# KiCad board klofi.kicad_pcb (continued)
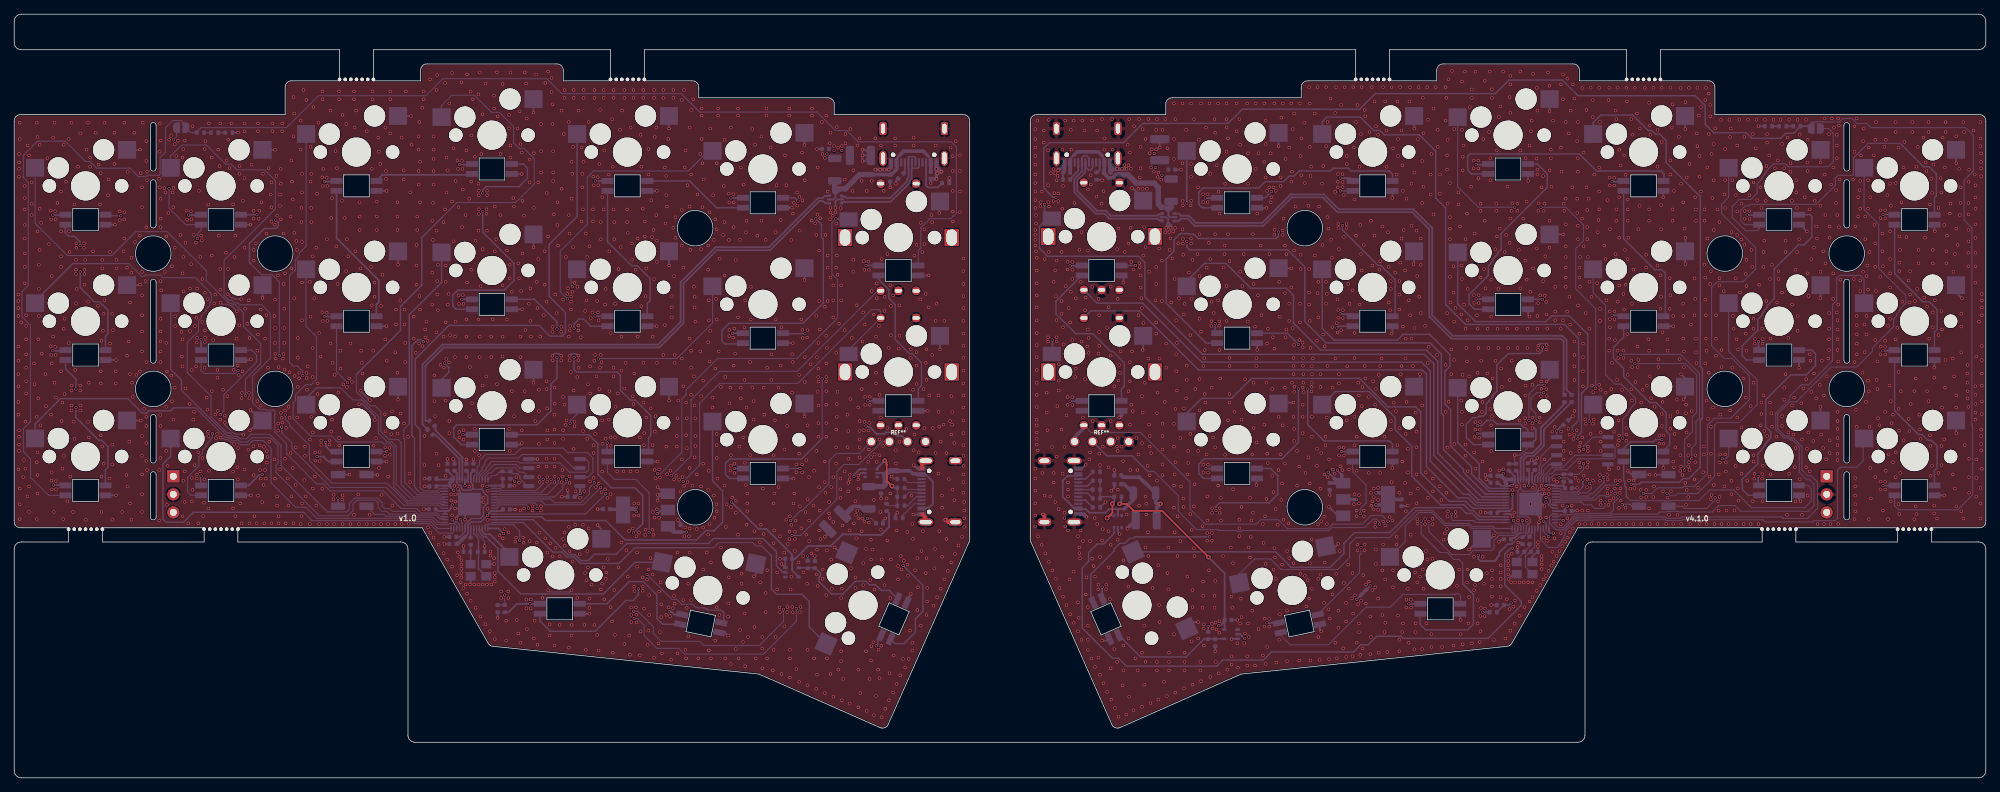
[diagram p0: board, top side]
## Routing (per net, layer and track width the routed paths; a pad name or vN(x,y) marks a point on that pad's centre or on a via; arc(x,y) is an arc through that point) (continued)
/right/KEY21: length 60.7
  Back w0.152: rSW13.1 259.98,47.62 259.98,44.62 259.08,43.72 256.78,43.72 256.38,43.32 256.38,36.52 256.08,36.22 253.08,36.22 252.88,36.02 246.18,36.02 245.88,36.32 234.58,36.32 234.48,36.22 234.18,36.22 234.17,36.22 233.48,36.22 233.47,36.22 233.08,36.22 233.07,36.22 232.48,36.22 232.47,36.22 232.27,36.22 232.18,36.32 221.98,36.32 221.93,36.28 219.82,36.28 219.72,36.18 219.53,36.18 218.08,34.72 218.08,34.22 217.88,34.02 217.88,33.69 217.6,33.42 217.6,33.22 217.2,32.82 217.2,32.64 216.98,32.42 215.73,32.42 214.62,33.53 rU5.18
/right/KEYEX1: length 106.5
  In1.Cu w0.254: v1(144.88,80.72) 144.88,82.12 145.98,83.22 146.83,83.22 147.26,82.79 147.69,82.79 147.87,82.62 149.24,82.62 rEXSW1.S2
  Back w0.203: rEXSW1.S2 145.28,78.72 144.18,77.62 144.18,77.61 144.17,77.61 144.17,74.75 144.18,74.75 144.18,74.52 145.28,73.42 158.08,73.42 158.98,72.52 158.98,67.72 167.08,59.62 198.28,59.62 199.61,58.28 199.61,45.38 205.85,39.14 rU5.37
  Back w0.254: rEXSW1.S2 144.88,79.74 v1(144.88,80.72)
/right/KEYEX2: length 87.8
  In1.Cu w0.254: rEXSW2.S2 147.79,64.73 145.98,62.92 v1(145.98,61.62)
  Back w0.152: rEXSW2.S2 145.9,60.23
  Back w0.203: rU5.35 205.48,38.34 204.4,39.42 202.98,39.42 198.58,43.82 198.58,56.82 197.98,57.42 166.52,57.42 158.22,65.72 151.39,65.72 rEXSW2.S2
  Back w0.254: v1(145.98,61.62) 145.98,59.74 rEXSW2.S2
/right/LED: length 63
  In1.Cu w0.203: v1(217.82,36.22) 216.57,36.22 215.64,37.16 214.31,37.16 213.68,36.52 213.68,35.72 213.28,35.32 210.08,35.32 208.18,33.42 208.18,31.32 208.38,31.12 208.38,23.37 206.13,21.12 188.88,21.12 186.18,18.42 184.48,18.42 184.28,18.22 182.28,18.22 181.98,17.92 180.48,17.92 180.38,17.82 174.88,17.82 173.09,19.6 v1(173.01,19.6)
  Back w0.152: v1(217.82,36.22) 217.67,36.22 217.55,36.34 rU5.13
  Back w0.254: v1(173.01,19.6) 172.39,20.22 rU6.2
/right/QSPI_SCLK: length 4.8
  Back w0.152: rU3.6 216.47,45.41 214.73,43.68 214.73,42.93 214.22,42.42 rU5.52
/right/QSPI_SD0: length 3.7
  Back w0.152: rU3.5 215.9,44.14 215.01,43.26 215.01,42.81 214.62,42.42 rU5.53
/right/QSPI_SD1: length 13.7
  Back w0.152: rU5.55 215.42,42.38 215.87,42.82 216.18,42.82 216.71,43.36 218.31,43.36 219.86,44.91 224.89,44.91 225.09,45.11 225.09,46.48 224.89,46.68 rU3.2
/right/QSPI_SD2: length 10.7
  Back w0.152: rU3.3 219.46,45.41 217.69,43.64 216.23,43.64 215.02,42.43 rU5.54
/right/QSPI_SD3: length 6.4
  Back w0.152: rU5.51 213.82,42.41 214.45,43.05 214.45,43.9 214.68,44.12 214.68,45.27 216.09,46.68 rU3.7
/right/QSPI_SS: length 12.7
  In1.Cu w0.152: v1(220.68,44.22) v1(220.68,46.22)
  Back w0.152: rR3.1 216.57,42.73 rU5.56 ; v1(220.68,46.22) 220.68,46.69 221.93,47.95 rU3.1 ; v1(220.68,44.22) 220.68,43.42 219.99,42.73 rR4.1
  Back w0.203: rR4.1 rR3.1
/right/RE0A: length 79.2
  Back w0.203: rU5.36 205.68,38.74 204.5,39.92 203.78,39.92 199.12,44.57 199.12,57.27 197.88,58.52 166.98,58.52 158.68,66.82 152.26,66.82 rEXSW1.A
/right/RE1A: length 88.1
  In1.Cu w0.152: v1(215.39,39.45) 211.41,39.45 206.98,35.02 206.98,30.92 206.68,30.62 203.88,30.62 203.18,31.32 202.28,31.32 201.98,31.62 201.78,31.62 201.48,31.92 201.18,31.92 199.39,33.7 195.59,33.7 v1(193.18,36.12)
  Back w0.152: v1(193.18,36.12) 192.38,36.92 190.78,36.92 189.58,35.72 185.38,35.72 184.73,35.07 179.03,35.07 177.78,36.32 175.28,36.32 174.68,35.72 167.48,35.72 165.33,37.87 165.33,41.67 158.38,48.62 151.41,48.62 rEXSW2.A ; v1(215.39,39.45) 215.39,39.42 215.4,39.42 215.68,39.42 215.98,39.13 215.98,38.62 216.16,38.44 216.66,38.44 rU5.8
  Back w0.508: rEXSW2.A 150.4,49.24 149.09,47.93 rJ2.1
/right/REB: length 108.5
  In1.Cu w0.152: v1(191.98,35.72) 192.08,35.62 192.08,34.62 193.38,33.32 198.68,33.32 199.98,32.02 200.68,32.02 200.68,32.02 201.06,31.64 201.36,31.64 201.69,31.3 201.89,31.3 202.16,31.04 203.06,31.04 203.78,30.32 206.98,30.32 207.38,30.72 207.38,34.52 211.88,39.02 215.18,39.02 v1(215.37,38.83)
  In1.Cu w0.203: rEXSW1.B 153.08,66.35 153.08,60.92 153.88,60.12 154.38,60.12 156.08,58.42 156.08,50.3 rEXSW2.B 154.85,49.63 152.55,47.33 rJ2.2
  Back w0.152: rU5.9 216.45,37.94 216.36,38.04 216.16,38.04 216.02,38.18 216.02,38.19 215.78,38.42 215.78,38.42 v1(215.37,38.83) ; v1(191.98,35.72) 191.98,36.02 191.57,36.42 191.08,36.42 189.88,35.22 185.27,35.22 184.84,34.79 178.91,34.79 178.88,34.82 172.65,34.82 172.47,34.64 172.08,34.64 171.9,34.82 169.38,34.82 169.26,34.94 166.26,34.94 163.68,37.52 163.68,39.72 160.28,43.12
  Back w0.203: 160.28,43.12 159.37,43.12 157.18,45.32 153.65,45.32 rJ2.2
/right/rLED_LVL_UP: length 17.2
  Back w0.203: rLED21.4 158.36,17.02 164.78,17.02 167.33,19.57 rU6.4
/right/rVBUS_ESD: length 26
  Back w0.254: J5.B4 153.28,87.2 153.06,87.41 153.06,87.46 152.94,87.59 ; J5.A4 148.48,87.12 148.98,87.62 ; 161.93,79.98 162.28,79.63 162.28,79.18 162.54,78.92 163.03,78.92
  Back w0.508: 162.58,80.22 162.33,79.98 161.99,80.32 161.48,80.32 ; 152.94,87.59 152.4,88.12 149.48,88.12 148.98,87.62 ; J5.B4 153.28,85.3 rC7.1 153.2,85.13 153.87,84.45 154.44,84.45 154.91,84.92 155.28,84.92 ; J5.A4 148.48,85.24 rC6.1
  Back w0.762: 155.28,84.92 156.58,84.92 157.77,83.72 157.77,83.72 160.28,83.72 160.88,83.12 160.88,80.72 161.28,80.32 161.48,80.32 ; 162.43,80.08 162.68,80.32 rFB1.1
/right/SWCLK: length 61.6
  In1.Cu w0.152: v1(212.08,36.21) 212.08,36.52 213.02,37.46 217.33,37.46 217.68,37.12 219.38,37.12 219.48,37.02 230.58,37.02 230.98,37.42 230.98,40.52 231.38,40.92 234.08,40.92 234.48,40.52 234.48,37.32 234.78,37.02 242.88,37.02 243.38,37.52 251.78,37.52 253.08,36.22 256.38,36.22 256.58,36.42 256.58,41.72 255.86,42.44 rJ1.1
  Back w0.152: v1(212.08,36.21) 212.08,36.01 212.08,35.72 212.22,35.57 rU5.24
/right/SWD: length 54.4
  In1.Cu w0.152: rJ1.3 253.79,38.42 236.48,38.42 236.18,38.72 236.18,41.42 235.58,42.02 235.18,42.02 235.08,42.12 230.98,42.12 229.98,41.12 229.98,38.92 229.18,38.12 228.78,38.12 228.18,37.52 222.18,37.52 221.08,38.62 220.03,38.62 218.83,37.42 217.9,37.42 217.58,37.74 213.7,37.74 213.62,37.82 212.36,37.82 211.16,36.62 211.15,36.62 210.87,36.34 210.83,36.34 v1(210.83,36.21)
  Back w0.152: rU5.25 211.82,35.47 211.72,35.57 211.72,35.6 211.58,35.74 211.15,35.74 210.98,35.92 210.98,36.06 v1(210.83,36.21)
/right/TX: length 102.3
  Front w0.203: v1(216.42,34.44) 216.42,34.33 216.43,34.32
  In1.Cu w0.203: v1(216.42,34.44) 216.42,34.44 214.3,34.44 213.68,33.82 211.43,33.82 210.68,33.07 210.68,32.32 210.66,32.32 v1(210.65,32.31)
  Back w0.203: v1(210.65,32.31) 210.42,32.31 209.58,31.48 209.58,27.16 211.93,24.82 211.93,24.32 207.23,19.63 195.28,19.63 194.98,19.92 191.59,19.92 190.39,18.72 189.33,18.72 188.32,17.72 176.78,17.72 175.64,16.57 169.94,16.57 169.09,15.72 156.38,15.72 155.28,16.82 154.42,16.82 150.18,21.07 150.18,25.61 150.17,25.61 150.17,29.57 151.07,30.46 151.07,31.71 152.27,32.92 153.18,32.92 154.68,34.41 154.64,34.45 rU4.3 ; v1(216.42,34.44) 216.37,34.4 216.01,34.4 215.82,34.59 rU5.15
/right/USB_VBUS_PIN: length 19.5
  In1.Cu w0.203: v1(215.08,36.12) 215.08,35.95 213.94,34.82 211.08,34.82 209.58,33.32 209.58,26.72 210.48,25.82 v1(210.48,24.62)
  Back w0.203: rU5.16 215.42,35.77 v1(215.08,36.12) ; v1(210.48,24.62) 210.18,24.32 rR2.1 rR1.2
Net-(C23-Pad1): length 2.7
  Back w0.203: Y1.3 R15.1
Net-(EXLED1-DIN): length 222.7
  Back w0.152: LED13.2 4.83,39.76 2.28,42.32 2.28,44.92 1.28,45.92 1.28,49.12 2.28,50.12 2.28,63.72 1.08,64.92 1.08,68.42 1.98,69.32 1.98,83.82 1.28,84.52 1.28,87.62 3.28,89.62 7.18,89.62 10.03,86.77 10.63,86.77 11.58,85.82 16.28,85.82 17.46,84.64 18.49,84.64 18.68,84.82 20.38,84.82 20.51,84.95 20.51,87.32 21.28,88.08 21.28,91.52 22.28,92.52 23.48,92.52 24.13,91.87 JP1.2 24.82,90.83 25.59,90.83 26.28,91.52 38.28,91.52 42.78,96.02 57.88,96.02 60.28,98.42 74.88,98.42 76.98,96.32 93.78,96.32 96.38,93.72 112.88,93.72 115.48,91.12 117.08,91.12 118.68,89.52 131.78,89.52 132.48,88.82 132.48,79.52 131.68,78.72 128.78,78.72 127.48,77.42 127.48,74.62 127.13,74.27 EXLED1.4
Net-(EXLED1-DOUT): length 20.6
  Back w0.203: EXLED1.2 121.53,70.17 122.98,68.72 122.98,67.52 123.88,66.62 123.88,61.72 125.88,59.72 126.28,59.72 127.58,58.42 127.58,55.22 127.13,54.77 EXLED2.4
Net-(J3-CC1): length 1.8
  Back w0.254: J3.A5 125.23,85.27 124.94,84.98
Net-(J3-CC2): length 5.9
  Back w0.254: J3.B5 128.23,83.37 128.48,83.12 129.87,83.12 R6.2
Net-(J4-CC1): length 2.6
  Back w0.127: J4.A5 125.69,41.57 R7.2
Net-(J4-CC2): length 3.7
  Back w0.152: J4.B5 126.58,38.57 126.12,38.1 126.1,38.1 124.94,36.94 R9.2
Net-(J4-D+-PadA6): length 2.2
  Back w0.127: R11.2 125.44,40.57 127.31,40.57
Net-(J4-D+-PadB6): length 2.9
  Back w0.152: R12.2 125.61,38.32 126.86,39.57 J4.B6
Net-(J4-D--PadA7): length 2.7
  Back w0.127: J4.A7 127.47,40.18 125.8,40.18 R10.1
Net-(J5-CC1): length 2.9
  Back w0.254: rR5.2 148.49,84.33 149.63,85.47 J5.A5
Net-(J5-CC2): length 1.7
  Back w0.254: rR6.2 152.3,85.23 152.63,85.56 J5.B5
Net-(J6-CC1): length 2.5
  Back w0.203: rR7.2 150.67,39.07 J6.A5
Net-(J6-CC2): length 2.5
  Back w0.203: J6.B5 150.67,42.07 rR8.2
Net-(J6-D+-PadA6): length 2.4
  Back w0.203: J6.A6 150.92,40.07 rR11.2
Net-(J6-D+-PadB6): length 2.4
  Back w0.203: rR12.2 150.92,41.07 J6.B6
Net-(J6-D--PadA7): length 2.1
  Back w0.203: rR10.1 J6.A7
Net-(JP1-A): length 33.8
  In1.Cu w0.152: v1(25.78,75.92) 25.7,75.84 23.08,75.84 22.05,76.87 18.22,76.87 15.98,79.12 v1(14.98,79.12) ; v1(22.4,89.82) 22.38,89.8 22.38,89.7 22.1,89.42 22.1,89.39 21.78,89.07 v1(21.78,82.92)
  Back w0.152: JP1.1 22.83,90.24 v1(22.4,89.82) ; LED1.4 12.97,79.12 v1(14.98,79.12) ; v1(25.78,75.92) 25.78,76.62 26.28,77.12 LED2.2 24.11,77.86 21.78,80.19 v1(21.78,82.92)
Net-(LED1-DOUT): length 21.2
  In1.Cu w0.203: v1(9.28,71.22) v1(9.28,74.92)
  Back w0.203: LED7.4 12.83,62.17 13.18,62.52 13.18,65.82 11.98,67.02 11.28,67.02 9.28,69.02 v1(9.28,71.22) ; LED1.2 7.14,77.78 7.14,76.75 7.68,76.22 8.49,76.22 9.28,75.43 v1(9.28,74.92)
Net-(LED2-DIN): length 43.8
  In1.Cu w0.152: v1(31.48,57.32) 32.38,58.22 36.68,58.22 37.28,58.82 v1(37.28,59.42)
  In1.Cu w0.203: v1(36.78,78.52) 36.03,79.26 v1(34.12,79.26)
  Back w0.152: v1(31.48,57.32) 31.08,56.92 26.68,56.92 26.28,57.32 LED8.2 ; v1(37.28,59.42) 37.28,69.82 36.29,70.81 34.79,70.81 33.28,72.32
  Back w0.203: v1(36.78,78.52) 37.15,78.15 37.15,77.64 36.82,77.32 35.18,77.32 33.08,75.22 33.08,72.52 33.28,72.32 ; v1(34.12,79.26) LED2.4
Net-(LED3-DIN): length 13.9
  Back w0.254: LED4.2 64.25,84.88 51.78,84.88 LED3.4
Net-(LED3-DOUT): length 20.3
  Back w0.254: LED3.2 45.33,75.97 51.28,70.02 51.28,66.97 50.93,66.62 LED9.4
Net-(LED5-DIN): length 15
  Back w0.203: LED6.2 98.75,80.24 94.97,84.02 LED5.4
Net-(LED10-DIN): length 39.5
  In1.Cu w0.203: v1(76.31,59.18) v1(76.31,63.18)
  Back w0.203: v1(76.31,59.18) 76.31,56.26 75.48,55.42 75.48,55.13 75.47,55.13 75.47,54.71 75.48,54.71 75.48,51.64 73.51,49.68 62.21,49.68 61.81,49.28 61.81,47.98 62.89,46.9 LED16.2 ; LED10.4 73.14,67.35 76.31,64.18 v1(76.31,63.18)
Net-(LED10-DOUT): length 39.3
  In1.Cu w0.203: v1(65.88,79.72) v1(65.88,82.32)
  Back w0.203: LED4.4 71.59,86.4 72.18,85.82 72.18,84.42 70.98,83.22 66.34,83.22 65.88,82.75 v1(65.88,82.32) ; v1(65.88,79.72) 65.88,76.82 70.28,72.42 70.28,70.02 68.9,68.65 62.35,68.65 61.68,67.97 61.68,66.42 62.14,65.95 LED10.2
Net-(LED11-DIN): length 20.8
  Back w0.203: LED5.2 83.43,75.47 86.81,72.08 87.61,72.08 89.41,70.28 89.41,67.18 89.03,66.79 LED11.4
Net-(LED11-DOUT): length 31.8
  In1.Cu w0.203: v1(78.71,63.28) v1(78.71,59.18)
  Back w0.203: LED17.4 89.18,46.07 89.18,47.84 89.51,48.18 89.51,50.98 87.31,53.18 86.61,53.18 85.22,54.57 85.22,56.67 84.78,57.12 79.07,57.12 78.71,57.48 v1(78.71,59.18) ; LED11.2 81.07,63.57 80.06,64.58 79.41,64.58 78.71,63.88 v1(78.71,63.28)
Net-(LED12-DIN): length 39.2
  In1.Cu w0.152: v1(113.61,56.16) 113.61,61.78 112.88,62.52 v1(111.18,62.52)
  Back w0.152: v1(113.61,56.16) 113.61,47.78
  Back w0.203: LED12.4 108.15,62.52 v1(111.18,62.52) ; LED18.2 100.55,42.14 100.01,42.68 100.01,44.28 100.61,44.88 110.71,44.88 113.61,47.78
Net-(LED12-DOUT): length 38.7
  In1.Cu w0.203: v1(112.71,78.68) v1(110.21,81.18)
  Back w0.203: v1(110.21,81.18) 109.75,81.64 LED6.4 ; LED12.2 102.36,61.08 99.91,61.08 99.51,61.48 99.51,62.98 100.51,63.98 110.91,63.98 113.78,66.84 113.78,75.82 113.51,76.08 113.51,77.88 v1(112.71,78.68)
Net-(LED13-DIN): length 20.5
  In1.Cu w0.203: v1(8.68,52.12) v1(8.68,54.72)
  Back w0.203: LED13.4 12.83,43.37 13.18,43.72 13.18,46.62 12.28,47.52 11.88,47.52 8.68,50.72 v1(8.68,52.12) ; LED7.2 7.23,57.57 8.68,56.12 v1(8.68,54.72)
Net-(LED14-DIN): length 15.4
  In1.Cu w0.254: v1(34.88,42.72) 39.08,42.72 41.58,45.22 v1(42.58,45.22)
  Back w0.254: v1(34.88,42.72) 34.8,42.65 34.46,42.65 32.97,41.16 LED14.4 ; v1(42.58,45.22) 43.48,45.22 44.17,44.52 LED15.2
Net-(LED14-DOUT): length 27.9
  In1.Cu w0.152: v1(28.98,51.12) 27.88,50.02 v1(27.88,48.42)
  Back w0.152: LED14.2 24.83,39.76 24.38,40.22 24.38,42.32 25.98,43.92 25.98,45.22 26.48,45.72 26.48,46.12 26.98,46.62 26.98,46.92 27.58,47.52 27.58,47.62 27.88,47.92 v1(27.88,48.42) ; LED8.4 33.38,60.21 34.08,59.52 34.08,58.52 29.48,53.92 29.48,51.62 v1(28.98,51.12)
Net-(LED15-DIN): length 22.2
  In1.Cu w0.152: v1(46.88,55.62) 51.38,51.12 51.38,46.64 52.1,45.92 v1(52.38,45.92)
  Back w0.152: LED9.2 45.33,57.17 v1(46.88,55.62) ; v1(52.38,45.92) 52.37,45.92 LED15.4
Net-(LED16-DIN): length 57.2
  In1.Cu w0.203: v1(87.07,34.49) 86.68,34.09 86.68,28.72 87.78,27.62 v1(87.78,26.62)
  Back w0.203: v1(87.78,26.62) 87.78,25.72 87.03,24.97 86.03,24.97 81.68,20.62 75.38,20.62 73.9,22.09 LED19.2 ; v1(87.07,34.49) 87.09,34.49 88.38,35.77 88.38,39.72 87.28,40.82 83.98,40.82 82.08,42.72 82.08,47.02 80.79,48.3 LED16.4
Net-(LED17-DOUT): length 35.1
  In1.Cu w0.152: v1(88.98,28.62) 88.68,28.92 88.68,33.46 89.28,34.06 v1(89.28,34.52)
  Back w0.152: v1(88.98,28.62) 92.48,25.12 93.18,25.12 93.88,24.42 95.38,24.42 95.58,24.21 95.61,24.18 95.68,24.12 95.75,24.07 95.83,24.03 95.91,23.99 95.99,23.96 96.07,23.94 96.16,23.93 96.25,23.92 96.29,23.92 96.86,23.92 96.9,23.92 96.99,23.91 97.08,23.9 97.16,23.87 97.24,23.84 97.32,23.81 97.4,23.76 97.47,23.71 97.54,23.66 97.58,23.62 98.5,23.62 98.58,23.54 98.97,23.54 99.05,23.62 99.28,23.62 99.41,23.48 99.61,23.48 99.78,23.32 ; v1(89.28,34.52) 89.28,40.12 87.38,42.02 84.38,42.02 83.43,42.97 LED17.2
  Back w0.203: 99.78,23.32 99.78,22.19 LED20.4
Net-(LED18-DIN): length 40.3
  In1.Cu w0.152: v1(110.48,43.54) 111.35,43.54 114.93,39.97 114.93,39.37 115.78,38.52 115.78,35.22 119.48,31.52 123.38,31.52 v1(124.98,29.92)
  Back w0.203: v1(110.48,43.54) LED18.4 ; v1(124.98,29.92) 127.78,27.12 127.78,23.44 126.71,22.38 126.71,20.48 125.11,18.88 123.86,18.88 LED21.2
Net-(LED19-DIN): length 19.9
  Back w0.203: LED19.4 83.35,24.49 86.48,27.62 88.48,27.62 90.38,25.72 90.38,22.42 91.18,21.61 LED20.2
Net-(R4-Pad2): length 30.9
  In1.Cu w0.203: v1(45.53,39.37) 45.53,39.81 45.97,40.25 46.54,40.25 47.78,39.02 54.48,39.02 56.48,41.02 56.48,42.02 57.88,43.42 68.68,43.42 v1(70.36,41.74)
  Back w0.254: v1(70.36,41.74) 69.99,42.11 R4.2 ; v1(45.53,39.37) SMDSW1.2
Net-(R16-Pad2): length 1
  Back w0.152: R17.1 27.66,90.83 R16.2
Net-(R17-Pad2): length 1
  Back w0.203: R17.2 R18.1
Net-(rC23-Pad1): length 3.3
  Back w0.152: rR15.1 213.08,32.56 211.28,30.76 rY1.3
Net-(rEXLED1-DIN): length 234.9
  In1.Cu w0.203: v1(146.48,81.72) 150.68,81.72 153.08,79.32 154.28,79.32 156.08,77.52 156.08,74.92 157.68,73.32 v1(157.68,72.12)
  Back w0.152: rLED13.2 264.4,38.29 264.98,37.72 273.28,37.72 275.38,39.82 275.38,49.52 275.28,49.62 275.28,77.42 274.18,78.52 274.18,84.12 275.48,85.42 275.48,90.42 274.38,91.52 261.08,91.52 260.48,92.12 259.1,92.12 258.4,92.82 257.15,92.82 256.65,92.32 254.33,92.32 254.27,92.38 253.39,92.38 253.33,92.32 252.82,92.32 252.68,92.17 rJP1.2
  Back w0.203: rR16.1 250.18,90.72 249.08,90.72 248.38,90.02 244.33,90.02 243.53,90.82 238.98,90.82 237.78,92.02 237.78,94.62 236.38,96.02 219.88,96.02 217.68,98.22 210.18,98.22 208.28,96.32 191.38,96.32 189.18,94.12 172.68,94.12 170.68,92.12 158.68,92.12 155.98,89.42 145.58,89.42 144.78,88.62 144.78,83.02 146.08,81.72 v1(146.48,81.72) ; rEXLED1.4 157.48,72.12 157.48,72.12 v1(157.68,72.12)
  Back w0.254: rJP1.2 252.38,91.72 rR16.1
Net-(rEXLED1-DOUT): length 24.9
  Back w0.203: rEXLED2.4 155.7,54.74 156.08,55.12 156.08,58.42 154.48,60.02 154.18,60.02 151.68,62.52 149.28,62.52 146.48,65.32 146.48,67.09 rEXLED1.2
Net-(rJP1-A): length 76.3
  Back w0.152: rJP1.1 255.08,91.42 255.78,90.72 255.78,86.72 255.08,86.02 249.48,86.02 249.08,86.42 247.38,86.42 246.38,85.42 246.38,85.32 246.18,85.12 246.18,85.02 246.08,84.92 246.08,84.82 245.78,84.52 245.78,84.32 245.08,83.62 245.08,82.32 244.18,81.42 242.58,81.42 241.58,80.42 241.58,78.92 243.48,77.02 245.08,77.02 245.35,77.29 rLED2.2 243.33,77.86 242.78,78.42 242.78,79.91 243.39,80.52 243.88,80.52 244.08,80.72 253.38,80.72 256.08,83.42 256.08,84.42 256.48,84.82 258.48,84.82 258.64,84.98 258.64,87.28 260.68,89.32 265.18,89.32
  Back w0.203: rLED1.4 270,81.64 270.28,81.92 270.28,85.02 269.28,86.02 268.48,86.02 265.18,89.32
Net-(rLED1-DOUT): length 20.8
  Back w0.203: rLED7.4 270,62.74 270.38,63.12 270.38,65.92 269.28,67.02 268.38,67.02 264.4,70.99 rLED1.2
Net-(rLED2-DIN): length 28.7
  Back w0.203: rLED8.2 245.34,58.82 243.58,58.82 242.98,59.42 242.98,60.82 245.18,63.02 245.18,64.52 245.78,65.12 245.78,65.32 245.98,65.52 245.98,65.72 246.48,66.22 246.48,66.42 247.48,67.42 247.48,71.62 250.88,75.02 251.68,75.02 252.78,76.12 252.78,79.02 252.53,79.26 rLED2.4
Net-(rLED3-DIN): length 35
  Back w0.203: rLED3.4 231.98,84.1 231.98,85.02 231.58,85.42 223.09,85.42 223.08,85.42 222.67,85.42 222.66,85.42 222.48,85.42 220.08,87.82 211.99,87.82 211.98,87.82 211.57,87.82 211.56,87.82 208.79,87.82 208.78,87.82 208.37,87.82 208.36,87.82 204.68,87.82 204.38,87.52 204.38,85.52 204.89,85 rLED4.2
Net-(rLED3-DOUT): length 20.8
  Back w0.203: rLED3.2 226.3,75.89 230.68,71.52 231.68,71.52 232.18,71.02 232.18,65.25 rLED9.4
Net-(rLED5-DIN): length 34.4
  Back w0.203: rLED6.2 167.05,80.24 166.58,80.72 166.58,82.42 167.18,83.02 174.98,83.02 175.88,83.92 178.48,83.92 179.28,84.72 179.98,84.72 180.68,85.42 185.08,85.42 185.48,85.82 187.58,85.82 187.98,85.42 193.38,85.42 193.8,84.99 rLED5.4
Net-(rLED10-DIN): length 32.7
  In1.Cu w0.203: v1(214.88,60.62) v1(214.88,67.32)
  Back w0.203: v1(214.88,67.32) 214.84,67.35 rLED10.4 ; rLED16.2 205.19,46.9 204.18,47.92 204.18,49.77 205.1,50.69 205.75,50.69 205.98,50.92 206.58,50.92 206.98,51.32 206.98,52.62 207.38,53.02 207.38,53.12 207.78,53.52 207.78,53.62 207.98,53.82 207.98,53.92 208.48,54.42 208.48,58.12 210.08,59.72 214.48,59.72 214.88,60.12 v1(214.88,60.62)
Net-(rLED10-DOUT): length 29.1
  Back w0.203: rLED4.4 214.19,86.4 215.58,85.02 215.58,83.12 209.08,76.62 209.08,74.42 208.68,74.02 208.68,73.82 208.3,73.44 208.3,73.39 207.98,73.07 207.98,72.87 207.6,72.49 207.6,72.34 207.28,72.02 207.28,70.72 204.58,68.02 204.58,66.72 205.34,65.95 rLED10.2
Net-(rLED11-DIN): length 23.1
  In1.Cu w0.203: v1(186.48,82.62) 186.28,82.42 186.28,79.02 186.78,78.52 v1(186.78,77.72)
  Back w0.203: rLED11.4 194.18,65.35 194.18,70.12 192.18,72.12 191.78,72.12 186.78,77.12 v1(186.78,77.72) ; v1(186.48,82.62) 186.48,82.62 rLED5.2
Net-(rLED11-DOUT): length 31.8
  In1.Cu w0.203: v1(181.88,54.72) 181.88,59.22 v1(185.98,63.32)
  Back w0.203: rLED17.4 193.8,46.99 193.38,47.42 184.18,47.42 181.88,49.72 v1(181.88,54.72) ; rLED11.2 186.23,63.57 v1(185.98,63.32)
Net-(rLED12-DIN): length 39.7
  In1.Cu w0.203: v1(180.58,54.72) v1(180.58,61.02)
  Back w0.203: rLED18.2 167.25,42.14 166.58,42.82 166.58,44.17 167.33,44.92 178.28,44.92 180.58,47.22 v1(180.58,54.72) ; rLED12.4 179,62.59 v1(180.58,61.02)
Net-(rLED12-DOUT): length 43.5
  In1.Cu w0.203: v1(177.78,76.82) 177.78,81.52 v1(176.78,82.52)
  Back w0.203: v1(177.78,76.82) 177.78,76.22 177.48,75.92 166.48,75.92 165.98,76.42 165.88,76.42 165.78,76.52 165.28,76.52 165.18,76.62 163.98,76.62 163.08,75.72 163.08,74.12 161.98,73.02 161.98,66.82 167.6,61.19 rLED12.2 ; v1(176.78,82.52) 175.9,81.64 rLED6.4
Net-(rLED13-DIN): length 20.9
  Back w0.203: rLED13.4 270,43.24 270.38,43.62 270.38,46.72 269.58,47.52 269.08,47.52 268.28,48.32 267.78,48.32 264.4,51.69 rLED7.2
Net-(rLED14-DIN): length 37.1
  Back w0.152: rLED14.4 252.23,41.16 252.68,40.72 252.68,38.92 251.78,38.02 244.28,38.02 241.78,40.52 238.38,40.52 236.88,39.02 232.88,39.02 232.82,38.96 232.03,38.96 231.99,39.01 228.56,39.01 228.54,39.02 227.28,39.02 226.98,39.32
  Back w0.203: 226.98,39.32 226.68,39.62 226.68,40.82 226.48,41.02 226.48,41.64 226.3,41.82 rLED15.2
Net-(rLED14-DOUT): length 30.5
  Back w0.203: rLED14.2 243.83,39.76 242.98,40.62 242.98,42.02 245.18,44.22 245.18,45.62 245.78,46.22 245.78,46.32 245.98,46.52 245.98,46.62 246.18,46.82 246.18,46.92 246.38,47.12 246.38,47.22 246.98,47.82 246.98,47.91 246.98,47.91 246.98,48.33 246.98,48.33 246.98,48.72 246.28,49.42 246.28,53.22 249.78,56.72 251.98,56.72 253.28,58.02 253.28,59.72 252.78,60.21 rLED8.4
Net-(rLED15-DIN): length 22.4
  Back w0.203: rLED9.2 226.3,62.02 224.88,60.59 224.88,59.04 226.3,57.62 226.3,56.49 229.98,52.82 230.88,52.82 232.28,51.42 232.28,48.82 232.78,48.32 232.78,46.92 231.9,46.04 rLED15.4
Net-(rLED16-DIN): length 53.8
  In1.Cu w0.203: v1(197.83,36.14) 197.83,37.08 198.78,38.02 198.78,38.42 204.68,44.32 204.68,49.02 205.21,49.56 v1(205.78,49.56)
  Back w0.152: 203.68,29.22 203.68,30.22 203.16,30.74 202.46,30.74 201.48,31.72 200.48,31.72 197.83,34.36 v1(197.83,36.14)
  Back w0.203: rLED16.4 212.85,48.92 212.46,49.31 212.29,49.31 211.78,49.81 208.45,49.81 207.94,50.32 207.08,50.32 206.31,49.56 v1(205.78,49.56) ; 203.68,29.22 203.68,27.32 204.77,26.22 204.77,26.21 205.07,25.92 205.08,25.92 205.18,25.82 205.18,21.62 204.38,20.82 198.48,20.82 197.68,21.62 197.68,23.04 rLED19.2
Net-(rLED17-DOUT): length 25.2
  In1.Cu w0.152: v1(189.28,37.22) 189.28,33.32 189.38,33.22 v1(189.38,32.42)
  Back w0.152: v1(189.38,32.42) 189.38,31.52 189.18,31.32 189.18,28.87 rLED20.4 ; rLED17.2 188.2,43.09 190.08,41.22 190.08,38.67 189.28,37.87 v1(189.28,37.22)
Net-(rLED18-DIN): length 43.5
  In1.Cu w0.203: v1(168.98,37.62) 168.98,34.32 168.58,33.92 v1(168.08,33.92)
  Back w0.203: rLED21.2 151.38,25.01 151.38,28.62 154.68,31.92 154.68,32.22 155.48,33.02 156.18,33.02 156.87,33.71 157.36,33.71 157.58,33.92 v1(168.08,33.92) ; rLED18.4 176.65,43.54 177.68,42.52 177.68,39.92 176.48,38.72 169.48,38.72 168.98,38.22 v1(168.98,37.62)
Net-(rLED19-DIN): length 30.5
  Back w0.152: rLED20.2 178.1,20.03 179.42,18.72 184.78,18.72 190.08,24.02 193.48,24.02 195.28,25.82 202.68,25.82 202.78,25.92 203.08,25.92 203.38,25.62 203.38,24.54 rLED19.4
Net-(rR4-Pad2): length 15.6
  In1.Cu w0.152: v1(226.11,38.44) 226.07,38.48 224.91,38.48 224.37,37.94 222.88,37.94 222.38,38.44 222.38,39.02 221.28,40.12 219.48,40.12 217.38,42.22 v1(217.23,42.22)
  Back w0.152: rSMDSW1.2 227.46,38.23 227.18,38.52 226.26,38.52 226.18,38.44 v1(226.11,38.44) ; rR4.2 218.37,42.22 v1(217.23,42.22)
Net-(rR16-Pad2): length 1
  Back w0.254: rR17.1 250.15,91.71
Net-(rR17-Pad2): length 1
  Back w0.254: rR18.1 247.19,91.71 rR17.2
Net-(rU5-RUN): length 100.4
  In1.Cu w0.152: v1(198.92,36.09) 198.92,36.76 199.98,37.82 200.68,37.82 207.78,44.92 211.25,44.92 212.98,46.65 212.98,50.3 v1(212.99,50.31) ; v1(239.18,39.42) 239.18,39.97 236.32,42.82 235.38,42.82 v1(234.88,43.32) ; v1(215.13,55.25) 215.17,55.3 215.98,55.3 221.3,60.62 226.98,60.62 227.88,59.72 v1(227.88,58.32)
  Back w0.152: v1(239.18,39.42) 239.18,39.19 239.1,39.12 239.1,39.04 237.98,37.92 234.88,37.92 234.56,38.23 rSMDSW2.2 ; rU5.26 211.42,34.76 211.32,34.67 211.32,34.61 211.18,34.46 211.17,34.46 210.83,34.12 208.78,34.12 208.08,33.42 208.08,32.32 207.78,32.02 205.18,32.02 204.58,31.42 202.17,31.42 198.92,34.67 v1(198.92,36.09) ; v1(234.88,43.32) 234.88,47.62 235.98,48.72 235.98,50.82 236.58,51.42 236.58,56.72 234.98,58.32 227.98,58.32 ; v1(215.13,55.25) 214.92,55.25 214.86,55.31 214.27,55.31 212.99,54.03 v1(212.99,50.31)
Net-(rU5-USB_DM): length 14.1
  Back w0.2: rR14.2 217.99,52.64
  Back w0.25: 217.99,52.64 216.99,51.65
  Back w0.254: rU5.46 211.81,41.98 211.81,44.95 212.59,45.73 213.49,45.73 214.67,46.9 214.67,49.3 217.07,51.7
Net-(rU5-USB_DP): length 14.2
  Back w0.2: rR13.2 218.98,52.89
  Back w0.25: 218.98,52.89 215.1,49.01
  Back w0.254: rU5.47 212.23,41.98 212.23,44.78 212.76,45.31 213.66,45.31 215.08,46.73 215.08,48.99 215.1,49.01
Net-(rU5-XIN): length 7.4
  Back w0.152: rY1.1 212.48,29.67 212.48,31.16 213.76,32.44 213.76,32.8 213.78,32.81 213.78,34.62 213.82,34.66 rU5.20
Net-(rU5-XOUT): length 1.3
  Back w0.203: rR15.2 213.08,34.17 213.42,34.51 rU5.21
Net-(U5-RUN): length 14.3
  Back w0.152: U5.26 62.21,35.5 61.93,35.78 61.21,35.78 61.06,35.64 59.46,35.64 58.75,36.34 56.4,36.34 55.92,36.82 52.28,36.82 52.01,37.08 50.69,37.08 SMDSW2.2
Net-(U5-USB_DM): length 8.1
  Back w0.254: R14.2 59.21,48.29 62.6,44.9 62.6,42.16 62.59,42.15 62.59,41.98
Net-(U5-USB_DP): length 9.2
  Back w0.25: 63.01,45.07 63.01,45.12 59.24,48.9 59.24,49.4 R13.2
  Back w0.254: 63.01,45.07 63.01,44.51 63.01,44.51 63.01,41.98 U5.47
Net-(U5-XIN): length 7.5
  Back w0.203: Y1.1 65.28,29.47 65.28,33.72 64.61,34.39 U5.20
